# Altium PCB Main_V1_Pcb.PcbDoc
Units mm, origin at the board's own origin, x right, y up, seen from the top; angles counter-clockwise.
Board outline 85.78 x 63.2 mm, 2 copper layers (Top Layer, Bottom Layer); 112 components, 73 nets, 392 pads, 309 vias.
Unrouted connection lines stored in the file: 1.
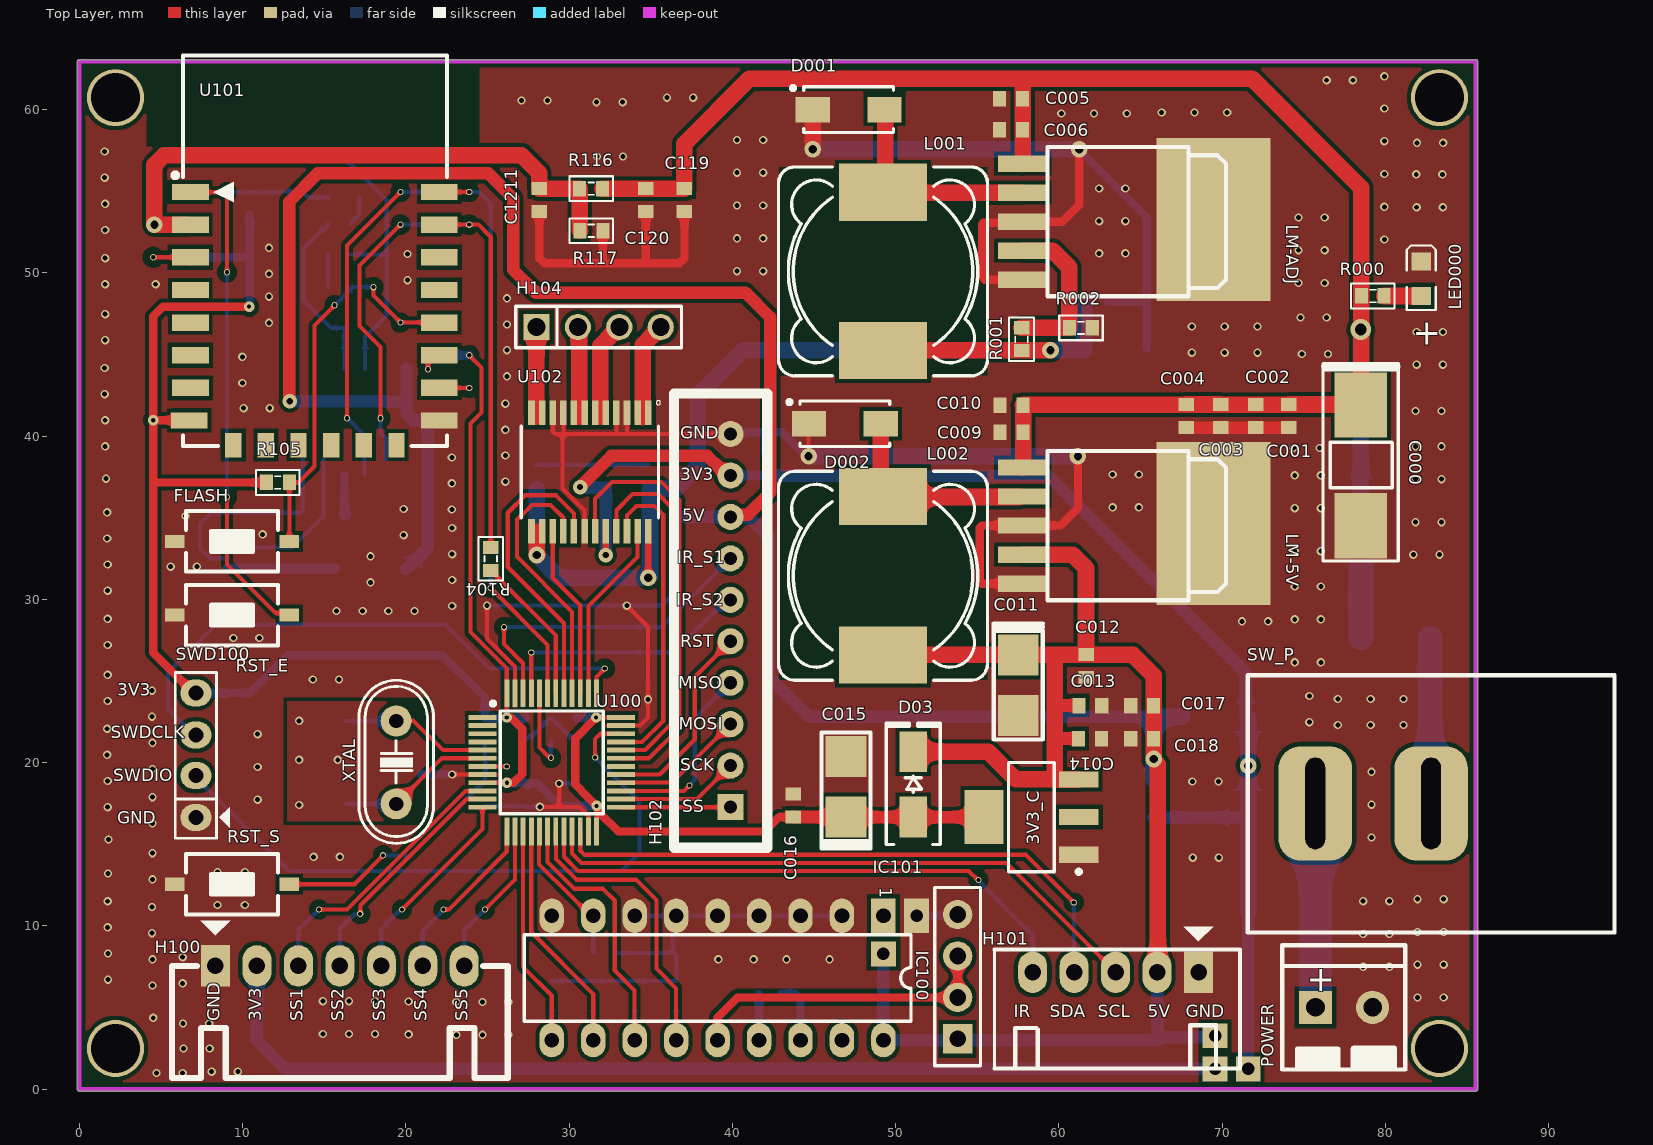
[diagram p0: Top Layer view]
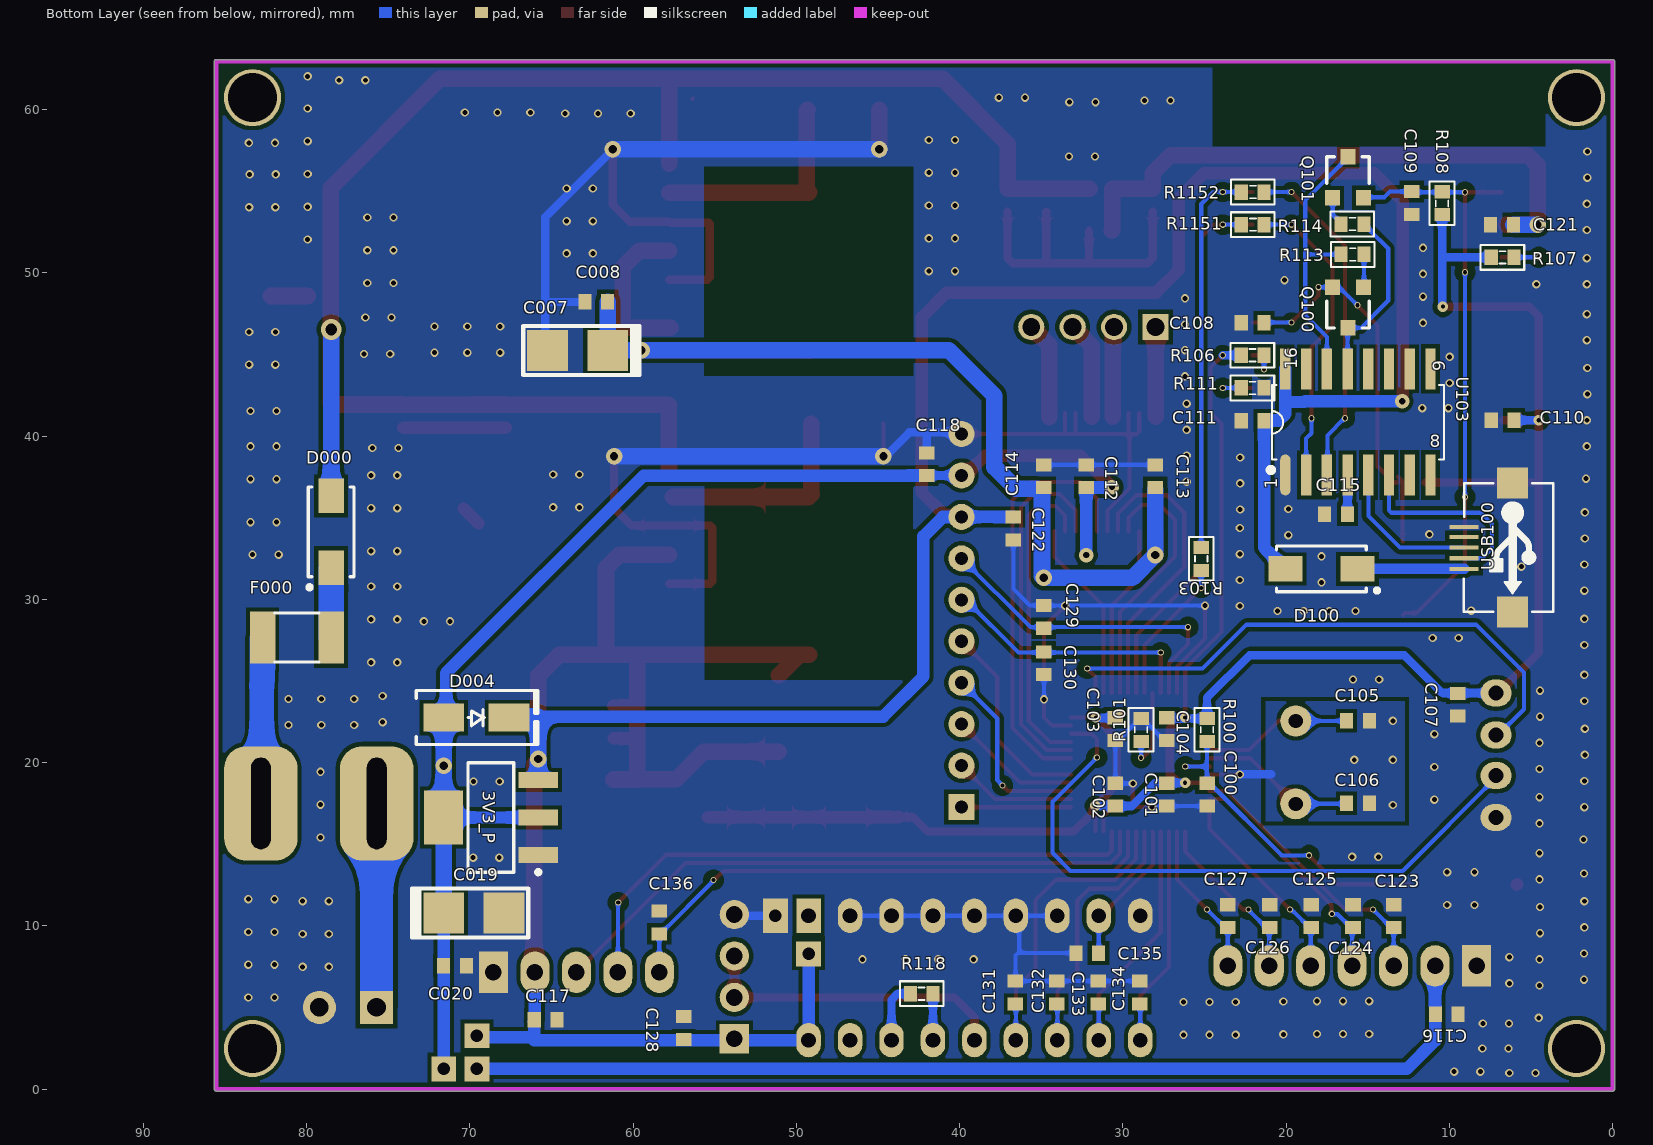
[diagram p1: Bottom Layer view, seen from below]
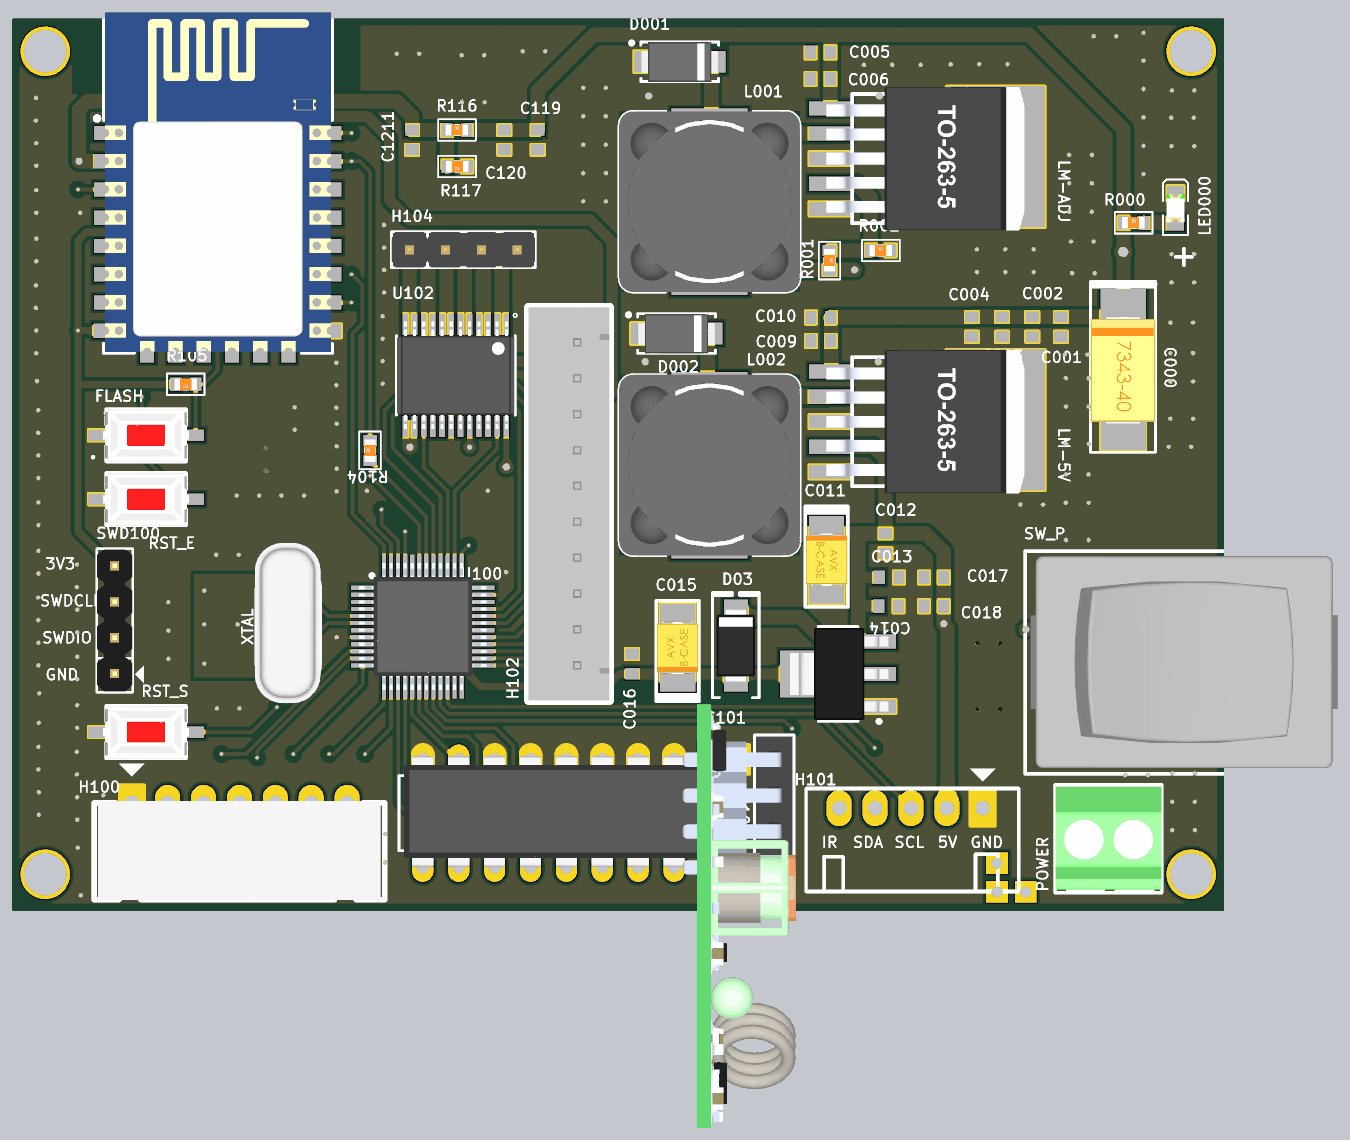
[diagram p2: 3D render of the assembled board from above, using the file's embedded part models]

## Layer stack, top to bottom
Top Solder: solder mask 0.0102, Solder Resist, Dk 3.5
Top Layer: signal copper 0.0356
Dielectric 1: dielectric 0.32, FR-4, Dk 4.8
Bottom Layer: signal copper 0.0356
Bottom Solder: solder mask 0.0102, Solder Resist, Dk 3.5

## Board outline
-0.127,0 -0.127,62.941 cw(c0,62.941) 0,63.069 85.42,63.069 cw(c85.42,62.941) 85.471,63.058 cw(c85.522,62.941) 85.649,62.941 85.649,0 cw(c85.522,0) 85.522,-0.127 0,-0.127 cw(c0,0)

## Design rules (kind name [scope] priority, off if disabled: settings)
Clearance [All] p1: gap=0.254 ignorepadtopadclearanceinfootprint=FALSE except(0.127: Arc-Arc Arc-Track Track-Track SMDPad-SMDPad; 0.203: Arc-SMDPad Track-SMDPad; 0.33: Arc-THPad Track-THPad; 0.508: Arc-Hole Track-Hole SMDPad-Hole THPad-THPad THPad-Hole Via-Hole Fill-Hole Poly-Hole Region-Hole Text-Hole)
PolygonConnect [All] p1: connectstyle=Direct reliefconductorwidth=0.254 reliefentries=4 polygonreliefangle="90 Angle" airgapwidth=0.254
RoutingVias [All] p1: holewidth=0.711 width=1.27 viastyle="Through Hole" minholewidth=0.254 minwidth=0.254 maxholewidth=0.711 maxwidth=1.27
SolderMaskExpansion [All] p1: expansion=0.102 istentingtop=FALSE
Width [All] p1: maxlimit=5.08 minlimit=0.025 preferedwidth=0.254 minimp=50.000000 maximp=50.000000 favimp=50.000000
30 further rules are at their usual default settings.

## Classes and differential pairs
component class Power: 3V3_C 3V3_P C000 C001 C002 C003 C004 C005 C006 C007 C008 C009 C010 C011 C012 C013 C014 C015 C016 C017 C018 C019 C020 D000 D001 D002 D03 D004 F000 L001 L002 LED000 LM-5V LM-ADJ POWER R000 R001 R002
component class Control: C100 C101 C102 C103 C104 C105 C106 C107 C108 C109 C110 C111 C112 C113 C114 C115 C116 C117 C118 C119 C120 C121 C122 C123 C124 C125 C126 C127 C128 C129 C130 C131 C132 C133 C134 C135 C136 C1211 D100 FLASH H100 H101 H102 H104 IC100 IC101 Q100 Q101 R100 R101 R103 R104 R105 R106 R107 R108 R111 R113 R114 R116 R117 R118 R1151 R1152 RST_E RST_S SWD100 U100 U101 U102 U103 USB100 XTAL

## Components (designator, comment, footprint, x,y, rotation, side; value= is the part's Value field where it differs from the comment)
3V3_C "AMS1117-3.3V" SOT223 58.318,16.662 r90 top value="AMS1117-3.3V SOT223"
3V3_P "AMS1117-3.3V" SOT223 68.707,16.637 r90 bottom value="AMS1117-3.3V SOT223"
C000 "100uF" "tu tantalum smd7343" 78.495,38.202 r270 top
C001 "Cap Non-Pol SMD" CAP-SM-0603 74.092,41.224 r90 top value=0.1uF
C002 "Cap Non-Pol SMD" CAP-SM-0603 72.06,41.224 r90 top value=0.1uF
C003 "Cap Non-Pol SMD" CAP-SM-0603 69.926,41.224 r90 top value=0.1uF
C004 "Cap Non-Pol SMD" CAP-SM-0603 67.793,41.224 r90 top value=0.1uF
C005 "Cap Non-Pol SMD" CAP-SM-0603 57.074,60.655 r0 top value=0.1uF
C006 "Cap Non-Pol SMD" CAP-SM-0603 57.074,58.776 r0 top value=0.1uF
C007 "100uF" "tu tantalum smd3528" 63.398,45.237 r0 bottom
C008 "Cap Non-Pol SMD" CAP-SM-0603 62.255,48.235 r180 bottom value=0.1uF
C009 "Cap Non-Pol SMD" CAP-SM-0603 57.099,40.234 r0 top value=0.1uF
C010 "Cap Non-Pol SMD" CAP-SM-0603 57.099,41.885 r0 top value=0.1uF
C011 "100uF" "tu tantalum smd3528" 57.506,24.74 r270 top
C012 "Cap Non-Pol SMD" CAP-SM-0603 61.671,25.908 r90 top value=0.1uF
C013 "Cap Non-Pol SMD" CAP-SM-0603 61.925,23.495 r180 top value=0.1uF
C014 "Cap Non-Pol SMD" CAP-SM-0603 61.9,21.463 r180 top value=0.1uF
C015 "100uF" "tu tantalum smd3528" 46.965,18.517 r90 top
C016 "Cap Non-Pol SMD" CAP-SM-0603 43.739,17.374 r270 top value=0.1uF
C017 "Cap Non-Pol SMD" CAP-SM-0603 65.1,23.495 r0 top value=0.1uF
C018 "Cap Non-Pol SMD" CAP-SM-0603 65.1,21.463 r0 top value=0.1uF
C019 "100uF" "tu tantalum smd3528" 69.748,10.795 r180 bottom
C020 "Cap Non-Pol SMD" CAP-SM-0603 70.917,7.569 r0 bottom value=0.1uF
C100 "Cap Non-Pol SMD" CAP-SM-0603 24.841,18.034 r90 bottom value=0.1uF
C101 "Cap Non-Pol SMD" CAP-SM-0603 27.305,18.034 r90 bottom value=0.1uF
C102 "Cap Non-Pol SMD" CAP-SM-0603 30.455,18.034 r270 bottom value=0.1uF
C103 "Cap Non-Pol SMD" CAP-SM-0603 30.455,22.047 r90 bottom value=0.1uF
C104 "Cap Non-Pol SMD" CAP-SM-0603 27.305,22.047 r90 bottom value=0.1uF
C105 "Cap Non-Pol SMD" CAP-SM-0603 15.596,22.555 r0 bottom value=20pF
C106 "Cap Non-Pol SMD" CAP-SM-0603 15.596,17.501 r0 bottom value=20pF
C107 "Cap Non-Pol SMD" CAP-SM-0603 9.474,23.546 r90 bottom value=0.1uF
C108 "Cap Non-Pol SMD" CAP-SM-0603 22.047,46.952 r180 bottom value=0.1uF
C109 "Cap Non-Pol SMD" CAP-SM-0603 12.294,54.28 r90 bottom value=0.1uF
C110 "Cap Non-Pol SMD" CAP-SM-0603 6.731,40.97 r180 bottom value=0.1uF
C111 "Cap Non-Pol SMD" CAP-SM-0603 22.047,40.945 r180 bottom value=0.1uF
C112 "Cap Non-Pol SMD" CAP-SM-0603 32.242,37.541 r270 bottom value=0.1uF
C113 "Cap Non-Pol SMD" CAP-SM-0603 28.016,37.541 r270 bottom value=0.1uF
C114 "Cap Non-Pol SMD" CAP-SM-0603 34.842,37.541 r270 bottom value=0.1uF
C115 "Cap Non-Pol SMD" CAP-SM-0603 16.942,35.204 r180 bottom value=0.1uF
C116 "Cap Non-Pol SMD" CAP-SM-0603 10.16,4.572 r0 bottom value=0.1uF
C117 "Cap Non-Pol SMD" CAP-SM-0603 65.354,4.242 r0 bottom value=0.1uF
C118 "Cap Non-Pol SMD" CAP-SM-0603 42.012,38.278 r270 bottom value=0.1uF
C119 "Cap Non-Pol SMD" CAP-SM-0603 37.059,54.458 r90 top value=0.1uF
C120 "Cap Non-Pol SMD" CAP-SM-0603 34.696,54.458 r90 top value=0.1uF
C121 "Cap Non-Pol SMD" CAP-SM-0603 6.782,52.952 r180 bottom value=0.1uF
C122 "Cap Non-Pol SMD" CAP-SM-0603 36.703,34.341 r90 bottom value=0.1uF
C123 "Cap Non-Pol SMD" CAP-SM-0603 13.411,10.592 r270 bottom value=0.1uF
C124 "Cap Non-Pol SMD" CAP-SM-0603 15.9,10.592 r270 bottom value=0.1uF
C125 "Cap Non-Pol SMD" CAP-SM-0603 18.457,10.592 r270 bottom value=0.1uF
C126 "Cap Non-Pol SMD" CAP-SM-0603 21.014,10.592 r270 bottom value=0.1uF
C127 "Cap Non-Pol SMD" CAP-SM-0603 23.571,10.592 r270 bottom value=0.1uF
C128 "Cap Non-Pol SMD" CAP-SM-0603 56.896,3.734 r270 bottom value=0.1uF
C129 "Cap Non-Pol SMD" CAP-SM-0603 34.842,28.931 r270 bottom value=0.1uF
C130 "Cap Non-Pol SMD" CAP-SM-0603 34.842,26.086 r90 bottom value=0.1uF
C131 "Cap Non-Pol SMD" CAP-SM-0603 36.576,5.918 r270 bottom value=0.1uF
C132 "Cap Non-Pol SMD" CAP-SM-0603 34.036,5.918 r270 bottom value=0.1uF
C133 "Cap Non-Pol SMD" CAP-SM-0603 31.496,5.918 r270 bottom value=0.1uF
C134 "Cap Non-Pol SMD" CAP-SM-0603 28.956,5.918 r270 bottom value=0.1uF
C135 "Cap Non-Pol SMD" CAP-SM-0603 32.182,8.331 r180 bottom value=0.1uF
C136 "Cap Non-Pol SMD" CAP-SM-0603 58.395,10.211 r270 bottom value=0.1uF
C1211 "Cap Non-Pol SMD" CAP-SM-0603 28.169,54.458 r90 top value=0.1uF
D000 "D Schottky" SS34 78.495,34.138 r90 bottom
D001 "D Schottky" SS34 47.115,59.995 r0 top
D002 "D Schottky" SS34 46.888,40.757 r0 top
D03 "100v" "DIODE SMA" 51.079,18.669 r90 top
D004 "100v" "DIODE SMA" 69.596,22.758 r180 bottom
D100 "D Schottky" SS34 17.831,31.865 r0 bottom
F000 "Fuse" "FUSE SMD" 80.594,27.661 r180 bottom
FLASH "Tact SW - 2Pin" SW-SMD 9.347,33.553 r0 top
H100 "Hall_Sensor" "Header 7P DC 2.54" 8.33,7.544 r270 top
H101 "Font" "Header 5P DC 2.54" 68.555,7.163 r270 top
H102 "RIGHT" XH2.54M-10 39.878,17.272 r90 top
H104 "Motor" "JP 1x4 DT" 27.991,46.685 r0 top
IC100 "PT2272" DIP18 39.091,6.807 r180 top
IC101 "RF315-RECEIVE-NOIC" RF315-RECEIVE-NOIC 53.797,6.883 r90 top
L001 "Inductor" "INDUCTOR 12.5x12.5" 49.225,50.089 r270 top value=10mH
L002 "Inductor" "INDUCTOR 12.5x12.5" 49.225,31.445 r270 top value=10mH
LED000 "LED SMD" LED_0805_Blue 82.194,49.632 r90 top
LM-5V "LM2596 5v SMD" TO263-5 63.627,34.519 r270 top
LM-ADJ "LM2596 ADJ SMD" TO263-5 63.627,53.137 r270 top
POWER "Domino 2" "DOMINO SMALL 2" 75.717,6.274 r0 top
Q100 "HF" SOT23 16.205,47.879 r0 bottom value=C9014
Q101 "HF" SOT23 16.205,55.855 r180 bottom value=C9014
R000 "RESISTOR SMD" RES-SM-0603 78.537,48.59 r0 top value=1K
R001 "RESISTOR SMD" RES-SM-0603 57.709,46.623 r270 top value=7.5k
R002 "RESISTOR SMD" RES-SM-0603 60.655,46.634 r0 top value=1K
R100 "RESISTOR SMD" RES-SM-0603 24.841,21.311 r90 bottom value=10K
R101 "RESISTOR SMD" RES-SM-0603 28.88,21.311 r90 bottom value=10K
R103 "RESISTOR SMD" RES-SM-0603 25.197,31.787 r90 bottom value=470R
R104 "RESISTOR SMD" RES-SM-0603 25.197,31.787 r90 top value=470R
R105 "RESISTOR SMD" RES-SM-0603 12.847,37.16 r180 top value=10K
R106 "RESISTOR SMD" RES-SM-0603 21.361,44.952 r0 bottom value=10K
R107 "RESISTOR SMD" RES-SM-0603 6.045,50.952 r0 bottom value=10K
R108 "RESISTOR SMD" RES-SM-0603 10.439,54.954 r270 bottom value=10K
R111 "RESISTOR SMD" RES-SM-0603 21.361,42.952 r0 bottom value=10K
R113 "RESISTOR SMD" RES-SM-0603 16.612,51.13 r180 bottom value=10K
R114 "RESISTOR SMD" RES-SM-0603 15.24,52.984 r0 bottom value=10K
R116 "RESISTOR SMD" RES-SM-0603 30.658,55.158 r0 top value=30K/120K
R117 "RESISTOR SMD" RES-SM-0603 32.055,52.578 r180 top value=10K
R118 "RESISTOR SMD" RES-SM-0603 41.631,5.842 r0 bottom value=680K
R1151 "RESISTOR SMD" RES-SM-0603 22.733,52.952 r180 bottom value=470R
R1152 "RESISTOR SMD" RES-SM-0603 22.733,54.952 r180 bottom value=470R
RST_E "Tact SW - 2Pin" SW-SMD 9.347,29.032 r0 top
RST_S "Tact SW - 2Pin" SW-SMD 9.347,12.548 r0 top
SW_P "SWITCH 10A-2PIN" SW_2ARS_TH 75.755,17.475 r90 top
SWD100 "Header 4H" JP4 7.137,19.177 r90 top
U100 "STM32F103C8T6" LQFP-48_19.6_393_58X11_SMD 28.931,20.015 r0 top
U101 "ESP8266 12" "ESP8266 12" 6.422,54.952 r0 top
U102 "TB6612FNG,C,8,EL" SOP65P760X160-24N 31.267,37.795 r270 top
U103 "CH340C" SOIC16_50_284_25X90_SMT 15.621,40.869 r90 bottom
USB100 "USB Micro 5p SMD" "USB Micro 5p SMD" 9.093,33.165 r270 bottom
XTAL "XTAL" XT2 19.406,20.015 r270 top

## Footprints (in the part's own frame and the unit in brackets; to place one, negate y for a bottom-side part, rotate by r counter-clockwise, add the part's x,y. Pads: shape width x height; smd on the part's side, far side on the other; paste and mask are expansions set on the pad)
CAP-SM-0603 [mm] "SMD Ceramic Capacitor Size 0603"
  rect 0.8x0.95 smd: 1(-0.7,0) 2(0.7,0)
  body extent -0.85,-0.45 0.85,0.45, height 0.6
"DIODE SMA" [mm] "SMA"
  rect 2.5x1.7 smd: 1(-2,0) 2(2,0)
  silkscreen extent -3.68,-1.65 3.75,1.65, body extent -2.6,-1.37 2.6,1.37, height 2.4
DIP18 [mm] "DIP; 18 Leads; Row Spacing 7.62 mm; Pitch 2.54 mm"
  rect 1.5x2.1 hole 0.9: 1(-10.16,-3.81)
  oval 1.5x2.1 hole 0.9: 2(-7.62,-3.81) 3(-5.08,-3.81) 4(-2.54,-3.81) 5(0,-3.81) 6(2.54,-3.81) 7(5.08,-3.81) 8(7.62,-3.81) 9(10.16,-3.81) 10(10.16,3.81) 11(7.62,3.81) 12(5.08,3.81) 13(2.54,3.81) 14(0,3.81) 15(-2.54,3.81) 16(-5.08,3.81) 17(-7.62,3.81) 18(-10.16,3.81)
  silkscreen extent -11.85,-2.65 11.85,2.65, body extent -11.49,-4.06 11.5,3.81, height 5.08
"DOMINO SMALL 2" [mil] "3.5 mm"
  rect 80x80 hole 45: 1(0,-50)
  round 80 hole 45: 2(137.8,-50)
  silkscreen extent -80,-203 217,100, body extent -79,-192 217,95, height 335
"ESP8266 12" [mm] "ESP-12 Wi-Fi Module by AI-Thinker"
  rect 2.25x1 smd: 1(0.375,0) 2(0.375,-2) 3(0.375,-4) 4(0.375,-6) 5(0.375,-8) 6(0.375,-10) 7(0.375,-12) 8(0.309,-14) 15(15.625,-14) 16(15.625,-12) 17(15.625,-10) 18(15.625,-8) 19(15.625,-6) 20(15.625,-4) 21(15.625,-2) 22(15.625,0)
  rect 1x1.5 smd: 9(3,-15.5) 10(5,-15.5) 11(7,-15.5) 12(9,-15.5) 13(11,-15.5) 14(13,-15.5)
  silkscreen extent -0.7,-15.57 16.08,8.37, body extent 0,-15.49 16,8.51, height 2.75
"FUSE SMD" [mm] "SMD FUSE"
  rect 1.55x3.21 smd: 1(-2.1,0) 2(2.1,0)
  silkscreen extent -1.35,-1.5 1.35,1.51, body extent -2.37,-1.71 2.36,1.71, height 0.75
"Header 5P DC 2.54" [mil]
  rect 100x70 hole 40: 1(0,0)
  oval 100x70 hole 40: 2(0,-100) 3(0,-200) 4(0,-300) 5(0,-400)
  silkscreen extent -110,-492 232,100
"Header 7P DC 2.54" [mil]
  rect 100x70 hole 40: 1(0,0.04)
  oval 100x70 hole 40: 2(0,100.04) 3(0,200.04) 4(0,300.04) 5(0,400.04) 6(0,500.04) 7(0,600.04)
  silkscreen extent -110,-105 270,705, body extent -5,-94 271,694, height 237
"INDUCTOR 12.5x12.5" [mm] "SMD Inductor  Body Width 12.5mm Body Lenght 12.5mm Height 8mm"
  rect 3.5x5.4 smd: 1(-4.85,0) 2(4.85,0)
  silkscreen extent -6.4,-6.4 6.4,6.4, body extent -6.4,-6.4 6.4,6.4, height 8
JP4 [mil] "Jumper 4"
  oval 65x75 hole 36: 1(-100,0) 2(1,0) 3(99,0) 4(200,0)
  silkscreen extent -150,-81 250,50, body extent -148,-48 248,50, height 323
"JP 1x4 DT" [mm] "4 pins, 1 row, straight, gold plating"
  rect 1.6x1.6 hole 1.1: 1(0,0)
  round 1.6 hole 1.1: 2(2.54,0) 3(5.08,0) 4(7.62,0)
  silkscreen extent -1.27,-1.27 8.89,1.27, body extent -1.27,-1.27 8.89,1.27, height 8.54
LED_0805_Blue [mm] "Chip LED, 2-Leads, Body 2.0x1.3mm, IPC Medium Density"
  rect 1.1x1.2 smd: 1(-1.05,0) 2(1.05,0)
  silkscreen extent -1.91,-0.89 2.03,0.89, body extent -1,-0.63 1,0.62, height 0.68
LQFP-48_19.6_393_58X11_SMD [mm] "48LQFP"
  rect 1.7x0.3 smd mask+0.076: 1(-4.238,2.75) 2(-4.238,2.25) 3(-4.238,1.75) 4(-4.238,1.25) 5(-4.238,0.75) 6(-4.238,0.25) 7(-4.238,-0.25) 8(-4.238,-0.75) 9(-4.238,-1.25) 10(-4.238,-1.75) 11(-4.238,-2.25) 12(-4.238,-2.75) 25(4.238,-2.75) 26(4.238,-2.25) 27(4.238,-1.75) 28(4.238,-1.25) 29(4.238,-0.75) 30(4.238,-0.25) 31(4.238,0.25) 32(4.238,0.75) 33(4.238,1.25) 34(4.238,1.75) 35(4.238,2.25) 36(4.238,2.75)
  rect 0.3x1.7 smd mask+0.076: 13(-2.75,-4.238) 14(-2.25,-4.238) 15(-1.75,-4.238) 16(-1.25,-4.238) 17(-0.75,-4.238) 18(-0.25,-4.238) 19(0.25,-4.238) 20(0.75,-4.238) 21(1.25,-4.238) 22(1.75,-4.238) 23(2.25,-4.238) 24(2.75,-4.238) 37(2.75,4.238) 38(2.25,4.238) 39(1.75,4.238) 40(1.25,4.238) 41(0.75,4.238) 42(0.25,4.238) 43(-0.25,4.238) 44(-0.75,4.238) 45(-1.25,4.238) 46(-1.75,4.238) 47(-2.25,4.238) 48(-2.75,4.238)
  silkscreen extent -3.72,-3.15 3.15,3.72, body extent -4.5,-4.5 4.5,4.5, height 1.7
RES-SM-0603 [mm]
  rect 0.8x0.95 smd: 1(-0.014,0) 2(1.386,0)
  silkscreen extent -0.64,-0.76 2.03,0.76, body extent -0.11,-0.4 1.49,0.4, height 0.3
RF315-RECEIVE-NOIC [mm]
  rect 1.8x1.8 hole 1.02: 1(-3.81,0)
  round 1.8 hole 1.02: 2(-1.27,0) 3(1.27,0) 4(3.81,0)
  silkscreen extent -5.46,-1.4 5.46,1.4, body extent -22.37,-1.52 7.63,6.48, height 21.75
SOIC16_50_284_25X90_SMT [mm]
  oval 2.5x0.635 smd mask+0.076: 1(-3.25,4.42)
  rect 2.5x0.635 smd mask+0.076: 2(-3.25,3.15) 3(-3.25,1.88) 4(-3.25,0.61) 5(-3.25,-0.66) 6(-3.25,-1.93) 7(-3.25,-3.2) 8(-3.25,-4.47) 9(3.25,-4.47) 10(3.25,-3.2) 11(3.25,-1.93) 12(3.25,-0.66) 13(3.25,0.61) 14(3.25,1.88) 15(3.25,3.15) 16(3.25,4.42)
  silkscreen extent -3.07,-5.3 2.26,5.44, body extent -3.02,-4.97 2.98,4.93, height 1.4
SOP65P760X160-24N [mm]
  rect 1.5x0.4 smd: 1(-3.625,3.575) 2(-3.625,2.925) 3(-3.625,2.275) 4(-3.625,1.625) 5(-3.625,0.975) 6(-3.625,0.325) 7(-3.625,-0.325) 8(-3.625,-0.975) 9(-3.625,-1.625) 10(-3.625,-2.275) 11(-3.625,-2.925) 12(-3.625,-3.575) 13(3.625,-3.575) 14(3.625,-2.925) 15(3.625,-2.275) 16(3.625,-1.625) 17(3.625,-0.975) 18(3.625,-0.325) 19(3.625,0.325) 20(3.625,0.975) 21(3.625,1.625) 22(3.625,2.275) 23(3.625,2.925) 24(3.625,3.575)
  silkscreen extent -4.38,-4.2 2.8,4.33, body extent -3.8,-4.15 3.8,4.15, height 1.6
SOT23 [mm] "SOT23"
  rect 0.9x0.95 smd: 1(-0.95,-1.25) 2(0,1.25)
  rect 0.9x0.95 smd mask+0: 3(0.95,-1.25)
  silkscreen extent -1.3,-0.38 1.3,1.25, body extent -1.52,-1.23 1.48,1.27, height 1.06
SOT223 [mm]
  rect 1x2.4 smd: 1(-2.3,-2.9) 2(0,-2.9) 3(2.3,-2.9)
  rect 3.3x2.4 smd: 4(0,2.9)
  silkscreen extent -3.47,-3.03 3.35,1.4, body extent -3.25,-3.56 3.25,3.4, height 1.68
SS34 [mm] "DO-214-AC/SMA Molded Diode, Body 5.3x2.6mm, IPC Medium Density"
  rect 2.1x1.55 smd: 1(-2.2,0) 2(2.2,0)
  silkscreen extent -3.52,-1.4 2.75,1.45, body extent -2.75,-1.42 2.75,1.38, height 2.3
SW-SMD [mm] "Switch SMD type"
  rect 1.2x0.8 smd: 1(-3.5,0) 2(3.5,0)
  silkscreen extent -2.82,-1.85 2.82,1.85, body extent -3.05,-1.85 3.05,1.85, height 2.5
SW_2ARS_TH [mm] "CASE: TH"
  rrect60% 7x4.5 hole 1.2 slot 5.6 at 0 deg mask+0.076: 1(0.025,0.051) 2(0.025,-7.049)
  silkscreen extent -7.87,-18.29 7.87,4.19, body extent -7.47,-17.9 7.53,3.8, height 17.81
TO263-5 [mil] "TO263-5"
  rect 39.37x120 smd: 1(-140,-230) 2(-70,-230) 3(0,-230) 4(70,-230) 5(140,-230)
  rect 393.7x275.59 smd: 6(-5,230)
  silkscreen extent -180,-170 180,260, body extent -200,-242 200,310, height 180
"tu tantalum smd3528" [mm]
  rect 2.5x2.5 smd: 1(-1.85,0) 2(1.85,0)
  silkscreen extent -3.78,-1.5 3.33,1.5, body extent -1.85,-1.46 1.85,1.47, height 2.03
"tu tantalum smd7343" [mm]
  rect 4x3.2 smd: 1(-3.7,0) 2(3.7,0)
  silkscreen extent -6.23,-2.31 5.85,2.31, body extent -3.75,-2.33 3.85,2.27, height 3.99
"USB Micro 5p SMD" [mil]
  rect 10x70 smd: 1(51.18,0) 2(25.59,0) 3(0,0) 4(-25.59,0) 5(-50,0)
  rect 74.8x74.8 smd: 5(-155.51,116.84) 5(155.51,116.84)
  silkscreen extent -155,-1 155,215, body extent -157,5 158,218, height 107
XH2.54M-10 [mm]
  rect 1.6x1.6 hole 0.8: 1(0,0)
  round 1.6 hole 0.8: 2(2.54,0) 3(5.08,0) 4(7.62,0) 5(10.16,0) 6(12.7,0) 7(15.24,0) 8(17.78,0) 9(20.32,0) 10(22.86,0)
  silkscreen extent -2.48,-2.26 25.34,3.46, body extent -2.48,-2.26 25.34,3.48, height 6.91
XT2 [mil] "Footpin for Crystal 2 pin"
  round 75 hole 34: 1(-100,0) 2(100,0)
  silkscreen extent -198,-90 195,90, body extent -233,-93 213,90, height 138

## Part data
3V3_C 3V3_P: library part "AMS1117 SMD", "Dán", Chung_Loai=Dán, Don_Vi=Con, Ma_Hang=MH000596
C000 C007: library part "Tu tantalum 100uF 50V SMD7343", "Dán", Chung_Loai=Dán, Don_Vi=Con, Ma_Hang=MH008401, So_Chan=2, Ten_Linh_Kien="Tụ tantalum 107T-100uF 50V SMD7343"
C001 C002 C003 C004 C005 C006 C008 C009 C010 C012 C013 C014 C016 C017 C018 C020 C100 C101 C102 C103 C104 C105 C106 C107 C108 C109 C110 C111 C112 C113 C114 C115 C116 C117 C118 C119 C120 C121 C122 C123 C124 C125 C126 C127 C128 C129 C130 C131 C132 C133 C134 C135 C136 C1211: "Capacitor"
C011: library part "Tu tantalum 100uF 10V SMD6032", "Dán", Chung_Loai=Dán, Don_Vi=Con, Ma_Hang=MH007594, So_Chan=2, Ten_Linh_Kien="Tụ tantalum 107A-100uF 10V SMD6032"
C015 C019: library part "Tu tantalum 100uF 6.3V SMD3528", "Dán", Chung_Loai=Dán, Don_Vi=Con, Ma_Hang=MH007595, So_Chan=2, Ten_Linh_Kien="Tụ tantalum 107J-100uF 6.3V SMD3528"
D000 D001 D002 D100: "Schottky Diode", Code_JEDEC=DO-214-AA, LatestRevisionDate=17-Jul-2002, LatestRevisionNote="Re-released for DXP Platform.", PackageDescription="DO-214-AA/SMB; 2 C-Bend Leads; Body 5.3 x 3.6 mm, inc. leads (LxW)", PackageReference=SMB, Published=8-Jun-2000, Publisher="Altium Limited"
D03 D004: library part "Diode 1N4007", "Cắm", Chung_Loai=Cắm, Don_Vi=Con, Ma_Hang=MH001063, Ten_Linh_Kien="Diode 1N4007 1A (DIP)"